# Altium PCB eRTM15_Baikal.PcbDoc (part 4 of 7) (continued)
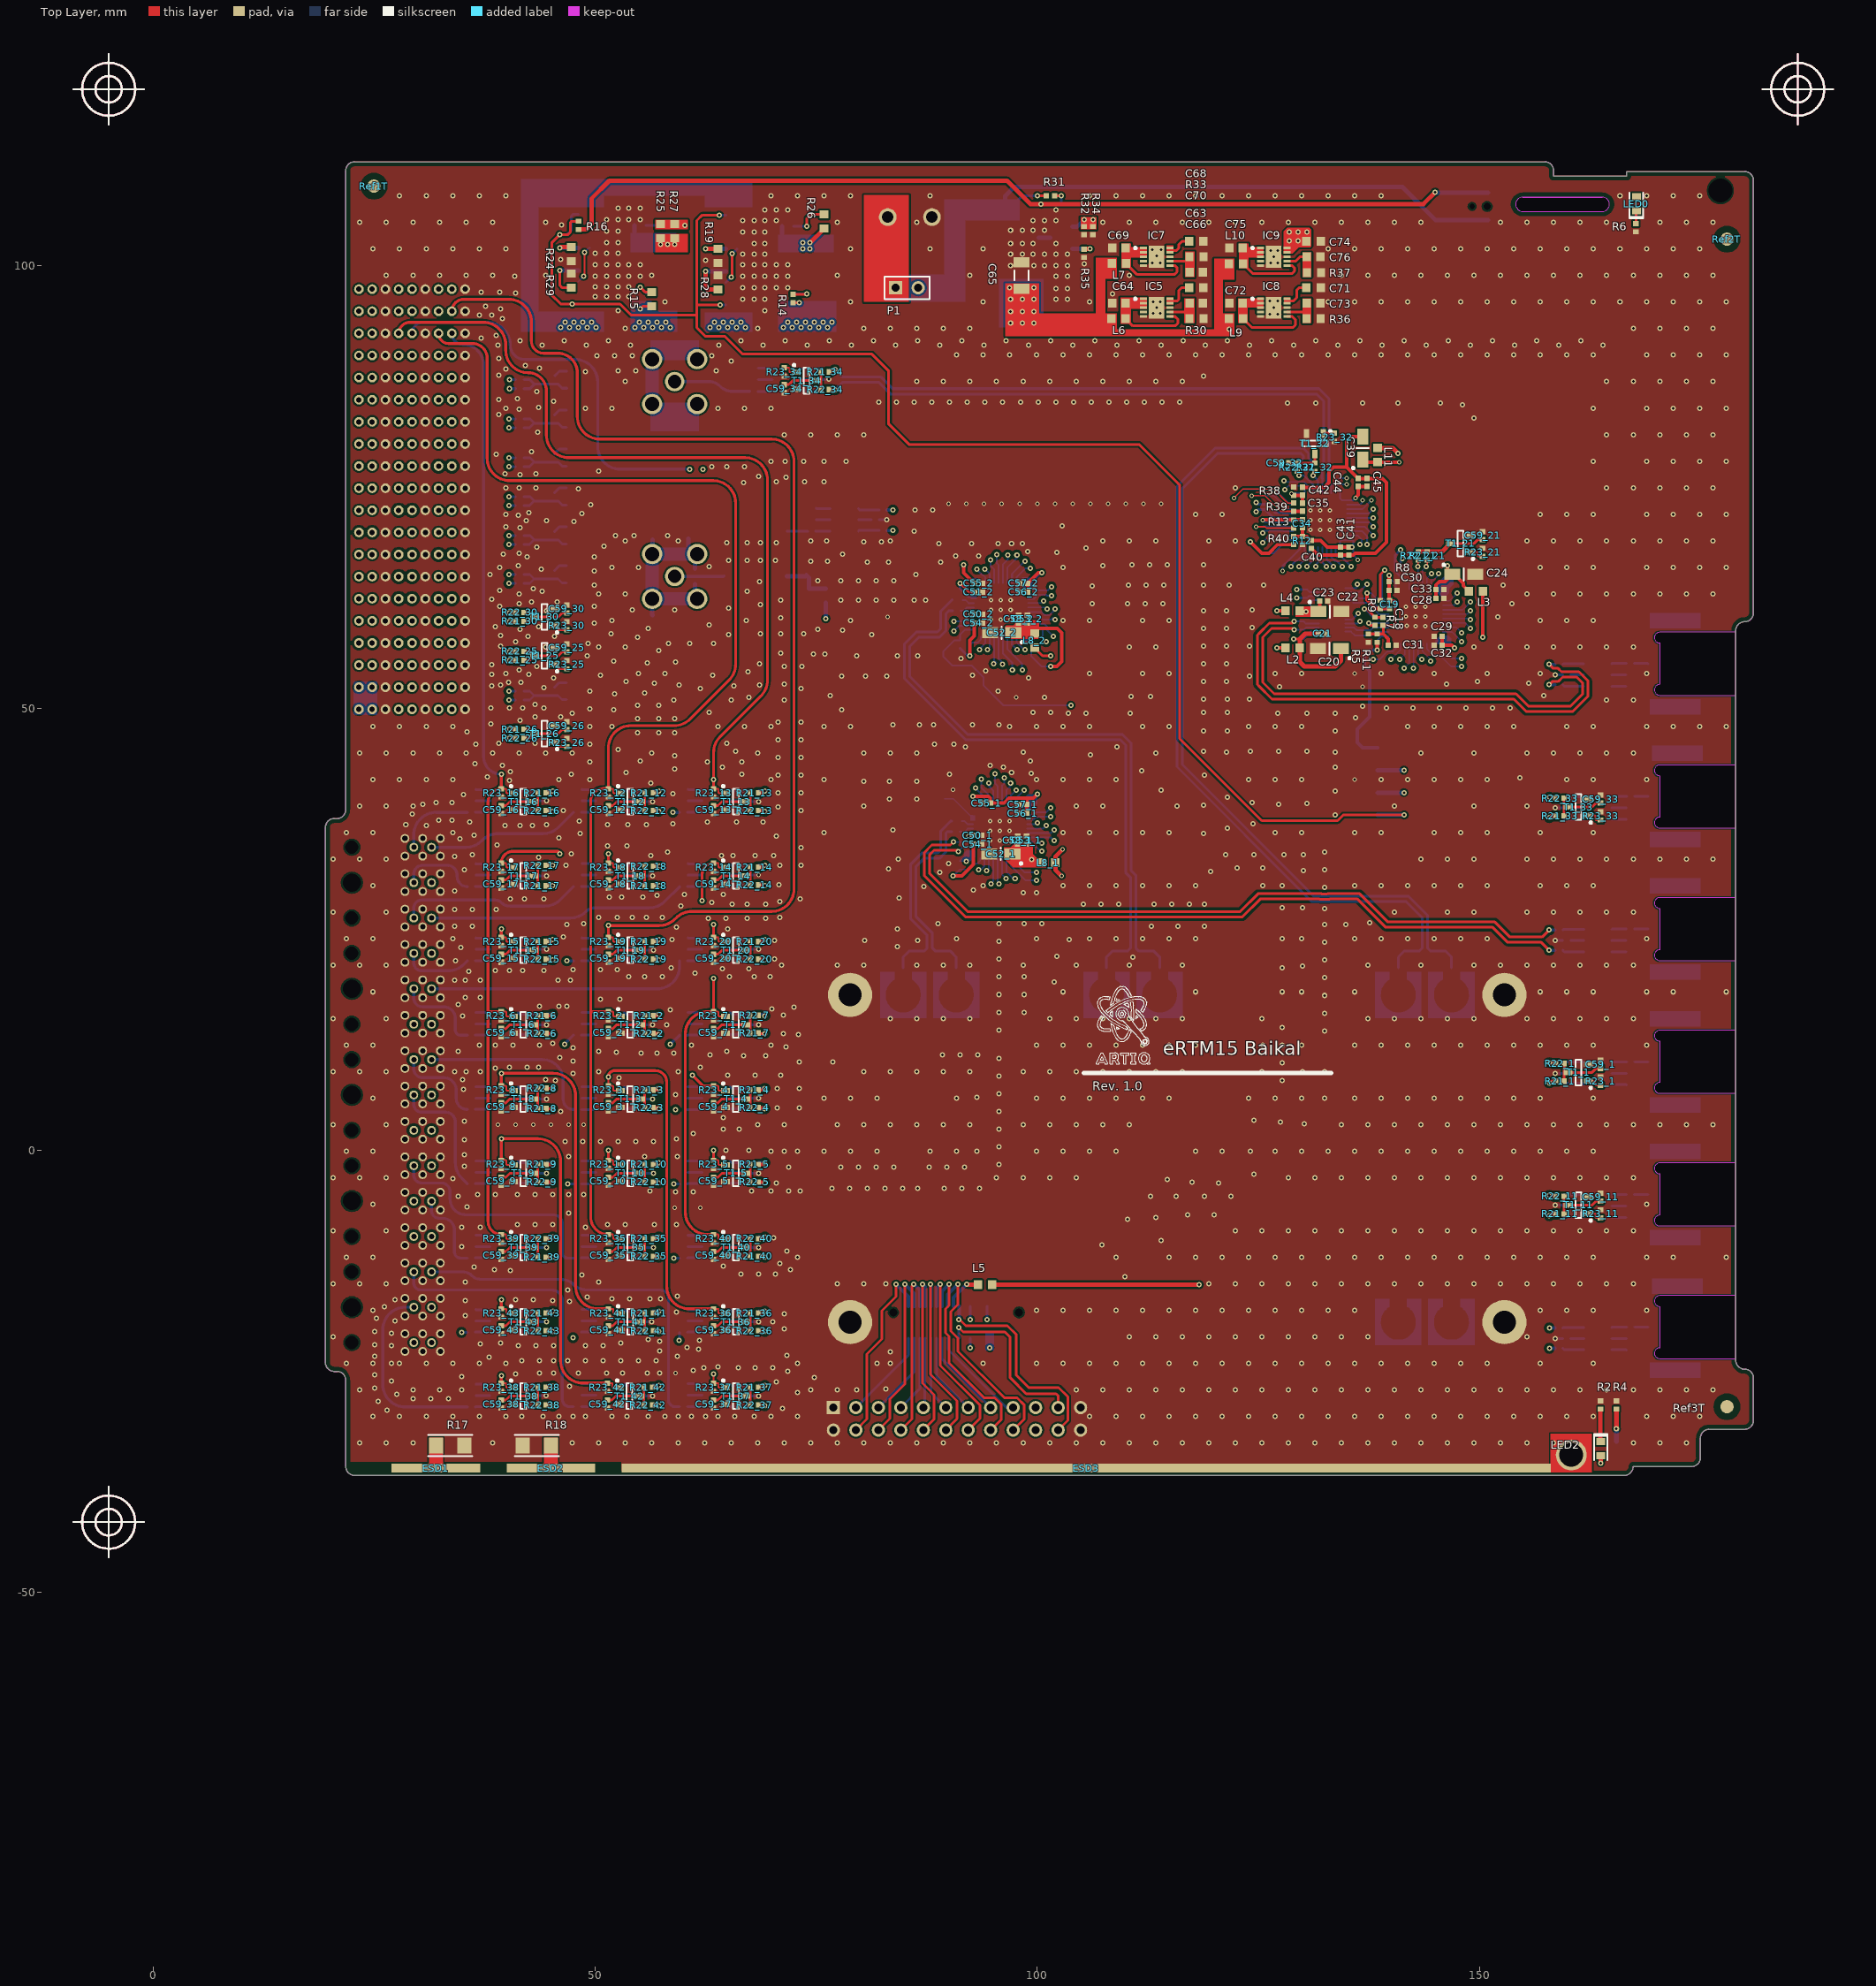
[diagram p0: Top Layer view]
## Nets (pads, with @x,y where several pads share a name; then routed paths per layer and width w, separated by ;. In a path a pad name is that pad's centre, name@x,y a point inside that pad or via, vN(x,y) a via of type N, cw(c..) or ccw(c..) an arc to the next point about the centre after c; other vN are vias at no path point) (continued)
  other v1: 23.4,-33.1 26.4,-33.1 29.4,-33.1 38.4,-33.1 47.4,-33.1 50.4,-33.1 53.4,-33.1 56.4,-33.1 59.4,-33.1 62.4,-33.1 65.4,-33.1 68.4,-33.1 71.4,-33.1 74.4,-33.1 77.4,-33.1 80.4,-33.1 83.4,-33.1 86.4,-33.1 89.4,-33.1 92.4,-33.1 95.4,-33.1 98.4,-33.1 101.4,-33.1 104.4,-33.1 107.4,-33.1 110.4,-33.1 113.4,-33.1 116.4,-33.1 119.4,-33.1 122.4,-33.1 125.4,-33.1 128.4,-33.1 131.4,-33.1 134.4,-33.1 137.4,-33.1 140.4,-33.1 143.4,-33.1 146.4,-33.1 149.4,-33.1 152.4,-33.1 155.4,-33.1 158.4,-33.1 167.4,-33.1 170.4,-33.1 173.4,-33.1 24.9,-30.1 27.9,-30.1 30.9,-30.1 33.9,-30.1 36.9,-30.1 39.9,-30.1 41.7,-30.1 44.1,-30.1 45.9,-30.1 47.5,-30.1 48.9,-30.1 51.9,-30.1 53.6,-30.1 56,-30.1 57.9,-30.1 59.4,-30.1 60.9,-30.1 62.5,-30.1 63.9,-30.1 65.8,-30.1 68,-30.1 69.9,-30.1 72.9,-30.1 105.9,-30.1 108.9,-30.1 111.9,-30.1 114.9,-30.1 117.9,-30.1 120.9,-30.1 123.9,-30.1 126.9,-30.1 129.9,-30.1 132.9,-30.1 135.9,-30.1 138.9,-30.1 141.9,-30.1 144.9,-30.1 147.9,-30.1 150.9,-30.1 153.9,-30.1 156.9,-30.1 159.9,-30.1 162.9,-30.1 168.9,-30.1 171.9,-30.1 174.9,-30.1 26.5,-29.4 71.2,-29.2 25.5,-28.4 29.4,-28.1 31.4,-28.1 33.4,-28.1 27.6,-27.6 72.9,-27.4 23.4,-27.1 29.4,-27.1 32.4,-27.1 34.9,-27.1 74.4,-27.1 77.4,-27.1 79.6,-27.1 104.4,-27.1 107.4,-27.1 110.4,-27.1 113.4,-27.1 116.4,-27.1 119.4,-27.1 122.4,-27.1 125.4,-27.1 128.4,-27.1 131.4,-27.1 134.4,-27.1 137.4,-27.1 140.4,-27.1 143.4,-27.1 146.4,-27.1 149.4,-27.1 152.4,-27.1 155.4,-27.1 158.4,-27.1 161.4,-27.1 164.4,-27.1 167.4,-27.1 170.4,-27.1 173.4,-27.1 176.4,-27.1 82.9,-27 25.1,-26.9 47.1,-26.7 70.5,-26.2 27,-26.1 74.8,-25.7 34.9,-25.6 25.1,-25.4 41,-25.3 43.7,-25.2 45.3,-25.2 48.1,-25.2 51.3,-25.2 53.1,-25.2 55.9,-25.2 57.3,-25.2 71.8,-25 61.1,-24.9 62.3,-24.6 66.2,-24.6 68.1,-24.6 70.1,-24.6 63.9,-24.5 21.9,-24.1 24.9,-24.1 27,-24.1 27.9,-24.1 30.9,-24.1 33.9,-24.1 36.9,-24.1 39.9,-24.1 72.9,-24.1 81.9,-24.1 83.4,-24.1 93.9,-24.1 99.9,-24.1 102.9,-24.1 105.9,-24.1 108.9,-24.1 111.9,-24.1 114.9,-24.1 117.9,-24.1 120.9,-24.1 123.9,-24.1 126.9,-24.1 129.9,-24.1 132.9,-24.1 135.9,-24.1 138.9,-24.1 141.9,-24.1 144.9,-24.1 147.9,-24.1 150.9,-24.1 156.9,-24.1 162.9,-24.1 41.7,-23.8 43.7,-23.8 45.3,-23.8 46.9,-23.8 48.9,-23.8 50.9,-23.8 52.9,-23.8 54.9,-23.8 56.9,-23.8 38,-23.4 25.1,-23.3 59.3,-23.3 71.7,-23.2 83.4,-22.8 57.3,-22.7 61.7,-22.5 60.4,-22.3 27,-22.1 41.3,-22.1 43.3,-22.1 45.3,-22.1 48.9,-22.1 50.9,-22.1 25.1,-22 37,-21.9 39.3,-21.8 52.9,-21.8 57.3,-21.6 61.8,-21.5 56,-21.4 20.4,-21.1 110.4,-21.1 113.4,-21.1 116.4,-21.1 119.4,-21.1 122.4,-21.1 125.4,-21.1 128.4,-21.1 131.4,-21.1 134.4,-21.1 137.4,-21.1 155.4,-21.1 27,-20.7 25.1,-20.5 71.4,-20.2 70.1,-19.4 27.4,-19.3 25.3,-19 35.3,-18.7 71.4,-18.5 59.2,-18.3 24.9,-18.1 99.9,-18.1 102.9,-18.1 105.9,-18.1 108.9,-18.1 111.9,-18.1 114.9,-18.1 117.9,-18.1 120.9,-18.1 123.9,-18.1 126.9,-18.1 129.9,-18.1 132.9,-18.1 135.9,-18.1 156.9,-18.1 159.9,-18.1 162.9,-18.1 168.9,-18.1 26.2,-17.7 47.1,-17.1 35.3,-17 45.2,-17 27.4,-16.9 41,-16.9 43,-16.9 51.9,-16.8 53.9,-16.8 56.2,-16.8 57.4,-16.8 49.1,-16.6 59.3,-16.5 46.9,-15.8 20.4,-15.1 23.4,-15.1 26.4,-15.1 77.4,-15.1 80.4,-15.1 82.9,-15.1 119.4,-15.1 122.4,-15.1 125.4,-15.1 128.4,-15.1 131.4,-15.1 134.4,-15.1 137.4,-15.1 140.4,-15.1 143.4,-15.1 146.4,-15.1 149.4,-15.1 152.4,-15.1 155.4,-15.1 158.4,-15.1 161.4,-15.1 164.4,-15.1 167.4,-15.1 35.3,-14.9 50.4,-14.9 109.9,-14.3 48.5,-14.1 66.5,-14 68.5,-14 70.4,-14 40.4,-13.6 38.6,-13.5 72.1,-13.5 36.3,-13.2 64.5,-13.1 70.9,-12.8 21.9,-12.1 24.9,-12.1 72.9,-12.1 108.9,-12.1 114.9,-12.1 117.9,-12.1 120.9,-12.1 123.9,-12.1 126.9,-12.1 129.9,-12.1 132.9,-12.1 135.9,-12.1 138.9,-12.1 141.9,-12.1 144.9,-12.1 147.9,-12.1 150.9,-12.1 153.9,-12.1 156.9,-12.1 159.9,-12.1 162.9,-12.1 168.9,-12.1 171.9,-12.1 177.9,-12.1 71.7,-11.4 34.9,-10.9 107.3,-10.7 114,-10.2 70.2,-9.9 20.4,-9.1 26.4,-9.1 122.4,-9.1 125.4,-9.1 128.4,-9.1 131.4,-9.1 134.4,-9.1 137.4,-9.1 140.4,-9.1 143.4,-9.1 146.4,-9.1 149.4,-9.1 152.4,-9.1 155.4,-9.1 158.4,-9.1 161.4,-9.1 164.4,-9.1 167.4,-9.1 34.9,-8.7 37,-8.7 48.9,-8.7 41.2,-8.4 43.2,-8.4 45.2,-8.4 51.4,-8.4 53.4,-8.4 56.7,-8.4 59.2,-8.4 110.2,-7.8 113.4,-7.6 117,-7.3 120,-7.3 47,-7.1 35.5,-6.4 24.9,-6.1 168.9,-6.1 34.5,-5.2 112.8,-5.2 115.7,-5.2 118.9,-5.2 121.9,-5.2 36.7,-5 38.7,-5 41.2,-5 43.2,-5 45.2,-5 47,-5 48.7,-5 59.1,-4.7 61.1,-4.7 56.2,-4.6 67.7,-4.6 69.9,-4.6 71.9,-4.6 73.2,-4.6 76.8,-4.3 78.8,-4.3 80.8,-4.3 82.8,-4.3 84.8,-4.3 86.5,-4.3 89.5,-4.3 91.5,-4.3 93.5,-4.3 70.5,-3.7 120.5,-3.7 117.5,-3.6 114.7,-3.3 33.9,-3.2 20.4,-3.1 23.4,-3.1 26.4,-3.1 95.4,-3.1 98.4,-3.1 101.4,-3.1 104.4,-3.1 128.4,-3.1 131.4,-3.1 134.4,-3.1 137.4,-3.1 140.4,-3.1 143.4,-3.1 146.4,-3.1 149.4,-3.1 152.4,-3.1 155.4,-3.1 158.4,-3.1 161.4,-3.1 164.4,-3.1 167.4,-3.1 124.5,-2.7 71.9,-1.9 77.8,-1.9 79.8,-1.9 81.8,-1.9 83.8,-1.9 87.8,-1.9 89.8,-1.9 91.8,-1.9 35.2,-1.8 95.7,-1.6 47,-0.7 55.6,-0.7 59.3,-0.7 35.2,-0.5 21.9,-0.1 24.9,-0.1 69.9,-0.1 71.4,-0.1 72.9,-0.1 75.9,-0.1 78.9,-0.1 81.9,-0.1 87.9,-0.1 90.9,-0.1 93.2,-0.1 99.9,-0.1 102.9,-0.1 105.9,-0.1 108.9,-0.1 117.9,-0.1 120.9,-0.1 124.1,-0.1 126.9,-0.1 129.9,-0.1 132.9,-0.1 135.9,-0.1 138.9,-0.1 141.9,-0.1 144.9,-0.1 147.9,-0.1 150.9,-0.1 153.9,-0.1 156.9,-0.1 159.9,-0.1 162.9,-0.1 64.8,0 67.4,0 95.7,0.4 46.6,1 48.6,1 50.6,1 52.6,1 54.6,1 56.6,1 35.2,1.2 59.2,1.3 61.1,1.9 64.5,2.4 66.3,2.4 95.7,2.4 20.4,2.9 26.4,2.9 68.4,2.9 71.4,2.9 77.4,2.9 80.4,2.9 83.4,2.9 86.4,2.9 89.4,2.9 92.4,2.9 98.4,2.9 101.4,2.9 104.4,2.9 107.4,2.9 110.4,2.9 134.4,2.9 137.4,2.9 140.4,2.9 143.4,2.9 146.4,2.9 149.4,2.9 152.4,2.9 155.4,2.9 158.4,2.9 161.4,2.9 164.4,2.9 167.4,2.9 170.4,2.9 173.4,2.9 176.4,2.9 130.2,3 127.5,3.2 35.2,3.3 124.5,3.4 64.5,3.7 46.1,4.4 95.7,4.4 70.6,4.8 73.1,4.8 24.9,5.9 75.9,5.9 78.9,5.9 81.9,5.9 90.9,5.9 99.9,5.9 102.9,5.9 105.9,5.9 108.9,5.9 111.9,5.9 114.9,5.9 123.9,5.9 126.9,5.9 129.9,5.9 132.5,5.9 135.9,5.9 138.9,5.9 141.9,5.9 144.9,5.9 147.9,5.9 150.9,5.9 153.9,5.9 156.9,5.9 162.9,5.9 93.2,6 59.1,6.3 95.7,6.4 35.1,6.9 70.6,7 73.1,7 45.5,7.9 127.7,7.9 35,8 44.4,8 52.7,8.2 95.7,8.4 65,8.5 68.1,8.5 71,8.5 47.5,8.7 20.4,8.9 23.4,8.9 26.4,8.9 34.1,8.9 35.4,8.9 37,8.9 50.4,8.9 59.4,8.9 80.4,8.9 83.4,8.9 86.4,8.9 89.4,8.9 92.4,8.9 98.4,8.9 101.4,8.9 104.4,8.9 107.4,8.9 110.4,8.9 113.4,8.9 116.4,8.9 125.4,8.9 130,8.9 132.5,8.9 38.7,9.3 40.3,9.4 42.3,9.4 43.6,9.4 61.9,9.4 127.7,9.9 73.1,10 76.9,10 47.5,10.1 95.7,10.4 46,10.5 66.8,10.7 69.3,10.7 63,10.8 89.3,10.8 91.3,10.8 93.3,10.8 55.2,11 57,11 58.9,11 52.4,11.1 34.5,11.2 50.4,11.2 64.9,11.2 47.5,11.6 71.6,11.7 21.9,11.9 24.9,11.9 36.9,11.9 38.7,11.9 40.7,11.9 43.7,11.9 60.9,11.9 69.9,11.9 99.9,11.9 102.9,11.9 105.9,11.9 108.9,11.9 111.9,11.9 114.9,11.9 117.9,11.9 125.5,11.9 127.7,11.9 129.9,11.9 135.9,11.9 138.9,11.9 141.9,11.9 144.9,11.9 147.9,11.9 150.9,11.9 153.9,11.9 156.9,11.9 159.9,11.9 162.9,11.9 168.9,11.9 45.2,12.1 73,13.1 71.3,13.2 132.5,13.5 95.7,13.6 127.7,13.9 58.1,14.2 20.4,14.9 26.4,14.9 83.4,14.9 86.4,14.9 89.4,14.9 92.4,14.9 101.4,14.9 104.4,14.9 107.4,14.9 110.4,14.9 113.4,14.9 116.4,14.9 125.4,14.9 137.4,14.9 140.4,14.9 143.4,14.9 146.4,14.9 149.4,14.9 155.4,14.9 158.4,14.9 161.4,14.9 164.4,14.9 167.4,14.9 35,15.2 71.3,15.3 132.5,15.5 95.7,15.6 98.5,15.6 58.5,15.9 70,16 72.5,16.2 43.7,16.3 45.9,16.3 46.8,16.3 34.5,16.5 50.6,17.1 52.8,17.1 35.3,17.3 37,17.3 132.5,17.5 95.7,17.6 98.5,17.6 24.9,17.9 102.9,17.9 117.9,17.9 127.7,17.9 129.9,17.9 135.9,17.9 156.9,17.9 159.9,17.9 162.9,17.9 168.9,17.9 171.9,17.9 177.9,17.9 101.9,19 34.1,19.2 35.3,19.2 37,19.2 45.8,19.2 47.2,19.2 132.5,19.5 53.8,19.6 55.6,19.6 57.6,19.6 65.2,19.6 68,19.6 69.8,19.6 95.7,19.6 98.5,19.6 61.3,20 35.7,20.2 38.7,20.3 40.3,20.3 41.8,20.3 44.2,20.3 47.5,20.4 50.6,20.4 52.5,20.4 64.4,20.5 67.4,20.5 58.6,20.6 127.7,20.6 130,20.8 20.4,20.9 23.4,20.9 26.4,20.9 71.1,20.9 77.4,20.9 80.4,20.9 86.4,20.9 89.4,20.9 92.4,20.9 98.4,20.9 104.4,20.9 110.4,20.9 116.4,20.9 137.4,20.9 143.4,20.9 149.4,20.9 152.4,20.9 155.4,20.9 158.4,20.9 161.4,20.9 164.4,20.9 167.4,20.9 34.2,21.4 132.5,21.5 70.3,21.6 95.7,21.6 110.8,21.8 102.2,21.9 34.8,22.9 84.2,23 132.5,23.5 95.7,23.6 70.3,23.7 80.5,23.7 86.5,23.7 58.7,23.8 103.6,23.8 21.9,23.9 24.9,23.9 33.9,23.9 90.9,23.9 99.9,23.9 105.9,23.9 108.9,23.9 111.9,23.9 114.9,23.9 117.9,23.9 127.7,23.9 129.9,23.9 135.9,23.9 138.9,23.9 141.9,23.9 144.9,23.9 147.9,23.9 150.9,23.9 168.9,23.9 46.4,24.1 65,25 84.2,25 59.2,25.2 34.1,25.3 36.1,25.3 112.9,25.3 115.9,25.3 118.9,25.3 46.8,25.5 132.5,25.5 134.9,25.5 48.7,25.6 88.8,25.6 95.7,25.6 98.5,25.6 100.5,25.6 137.6,25.7 62.8,26.2 64.8,26.2 67.2,26.2 69.3,26.2 50.4,26.3 52.5,26.3 54.2,26.3 55.8,26.3 57.6,26.3 70.9,26.3 20.4,26.9 26.4,26.9 140.4,26.9 146.4,26.9 149.4,26.9 155.4,26.9 158.4,26.9 161.4,26.9 164.4,26.9 167.4,26.9 34.1,27.2 36.1,27.2 38.8,27.2 132.5,27.3 127.7,27.4 130,27.4 59.7,27.6 65.5,27.8 67.2,27.8 69.3,27.8 105.2,27.8 107.2,27.8 109.2,27.8 113.2,27.8 115.2,27.8 117.2,27.8 118.9,27.8 63.2,28 70.9,28.1 40.4,28.4 42,28.4 44.2,28.4 73.2,28.4 84.4,28.5 51.6,28.6 53,28.6 55.4,28.6 57,28.8 60.1,28.9 64.5,28.9 98.4,29.1 99.9,29.1 34.1,29.3 92.8,29.4 132.5,29.7 87.2,29.8 24.9,29.9 93.9,29.9 102.9,29.9 105.9,29.9 108.9,29.9 111.9,29.9 114.9,29.9 117.9,29.9 125.5,29.9 127.7,29.9 135.9,29.9 138.9,29.9 141.9,29.9 144.9,29.9 147.9,29.9 150.9,29.9 156.9,29.9 159.9,29.9 162.9,29.9 70.8,30 89,31.4 119.6,31.5 130.1,31.6 35.2,31.7 132.5,31.7 83.2,31.8 122.6,31.9 125.5,31.9 46.7,32.2 70.9,32.2 73.3,32.2 90,32.4 20.4,32.9 23.4,32.9 26.4,32.9 84.3,32.9 143.4,32.9 146.4,32.9 149.4,32.9 155.4,32.9 158.4,32.9 161.4,32.9 164.4,32.9 167.4,32.9 170.4,32.9 173.4,32.9 176.4,32.9 43.6,33.1 34.1,33.2 56.3,33.3 64.3,33.3 65.6,33.3 68.1,33.3 70.2,33.3 36.1,33.4 121.3,33.4 124.5,33.4 127.9,33.4 130.1,33.4 47.3,33.5 58.2,33.7 132.5,33.7 73.3,34.2 51.4,34.4 53.6,34.4 38.9,34.5 34.7,35.2 45.9,35.3 70.5,35.5 36.3,35.6 48.3,35.8 118.8,35.8 21.9,35.9 24.9,35.9 33.9,35.9 75.9,35.9 102.9,35.9 105.9,35.9 108.9,35.9 111.9,35.9 114.9,35.9 126.9,35.9 129.9,35.9 135.9,35.9 138.9,35.9 144.9,35.9 147.9,35.9 150.9,35.9 156.9,35.9 162.9,35.9 83.7,36.2 121.5,36.4 30.9,36.7 39.8,36.7 41.5,36.7 42.9,36.7 28.6,36.8 44.5,36.8 51.4,36.8 53.7,36.8 55.8,36.8 58.8,36.9 124.4,36.9 35.8,37.1 62.7,37.1 66,37.1 69,37.1 48.2,37.2 32.3,37.3 33.8,37.3 133.7,37.9 29.3,38 46.4,38.4 73.3,38.4 70.7,38.8 23.4,38.9 26.4,38.9 29.4,38.9 80.4,38.9 104.4,38.9 107.4,38.9 115.8,38.9 140.4,38.9 149.4,38.9 155.4,38.9 118.8,39 30.5,39.1 127.3,39.1 130.5,39.2 32,39.3 33.8,39.3 124.3,39.3 83.3,39.7 86.4,39.7 121.5,39.9 35.1,40.2 58.8,40.3 70.7,40.4 73.3,40.4 133.7,40.6 114,40.7 56.3,41.5 80.4,41.7 83.3,41.7 86.4,41.7 40.3,41.8 24.9,41.9 27.9,41.9 30.9,41.9 33.9,41.9 45.9,41.9 49.4,41.9 69.9,41.9 75.9,41.9 99.9,41.9 102.9,41.9 105.9,41.9 108.9,41.9 123.9,41.9 126.9,41.9 129.9,41.9 138.9,41.9 141.9,41.9 144.9,41.9 147.9,41.9 150.9,41.9 159.9,41.9 162.9,41.9 168.9,41.9 154.6,42.1 37.8,42.2 70.7,42.4 73.3,42.4 118.9,42.4 47.3,42.5 66.6,42.5 90.1,42.5 99.3,42.6 53.5,42.7 97.1,42.7 40.4,42.8 111.8,42.9 59,43.1 64.4,43.3 96.2,43.3 133.7,43.3 39.5,43.5 94.7,43.5 36.4,43.7 49.4,43.9 62.7,43.9 66.6,43.9 55.1,44 99.2,44 70.7,44.4 73.3,44.4 59,44.6 106,44.7 23.4,44.9 26.4,44.9 29.4,44.9 32.4,44.9 35.4,44.9 38.4,44.9 41.4,44.9 44.4,44.9 47.4,44.9 56.4,44.9 68.4,44.9 80.4,44.9 83.4,44.9 86.4,44.9 113.4,44.9 143.4,44.9 149.4,44.9 155.4,44.9 158.4,44.9 161.4,44.9 164.4,44.9 167.4,44.9 98.4,45 121.4,45 133.7,45 65.9,45.1 118.8,45.1 124.1,45.1 127.3,45.1 130.5,45.1 52.6,45.3 91.9,45.6 109,45.6 36.5,45.9 49.4,45.9 88.4,45.9 90.6,45.9 39.1,46 43.2,46 64.9,46 70.7,46.4 73.3,46.4 54.8,47.2 57.2,47.2 59,47.2 35.5,47.3 118.8,47.4 121.5,47.4 133.7,47.4 24.9,47.9 27.9,47.9 30.9,47.9 33.9,47.9 49.4,47.9 51.9,47.9 63.9,47.9 66.9,47.9 69.9,47.9 75.9,47.9 78.9,47.9 96.9,47.9 99.9,47.9 102.9,47.9 105.9,47.9 111.9,47.9 114.9,47.9 123.9,47.9 126.9,47.9 129.9,47.9 141.9,47.9 144.9,47.9 147.9,47.9 150.9,47.9 153.9,47.9 159.9,47.9 162.9,47.9 168.9,47.9 171.9,47.9 174.9,47.9 177.9,47.9 83.7,48.1 86.7,48.1 88.3,48.1 92.7,48.1 95.7,48.1 38.2,48.2 70.7,48.4 73.3,48.4 41.5,48.6 54.8,48.8 57.2,48.8 59,48.8 136,48.9 43.2,49 46.1,49 47.4,49.4 103.5,49.4 105.5,49.4 110.5,49.4 127.2,49.4 130.5,49.4 133.7,49.4 62.9,49.5 99.5,49.5 101.5,49.5 118.8,49.5 121.5,49.5 52.1,49.8 77.9,49.8 49.4,49.9 38.2,50 40.3,50 41.8,50 44.2,50 139.5,50 142.5,50 145.5,50 148.5,50 151.5,50 153.5,50 136.8,50.2 54.8,50.3 57.2,50.3 43.2,50.4 58.9,50.9 65.4,50.9 71.4,50.9 164.4,50.9 167.4,50.9 118.8,51 121.5,51 124,51 67.4,51.2 100.8,51.2 110.6,51.3 112.8,51.3 76.6,51.4 157.3,51.4 52.2,51.6 55.6,51.7 49.4,51.9 95.6,51.9 61.9,52.2 73.3,52.2 44.2,52.3 127.4,52.4 38.3,52.5 65.7,52.5 39.3,52.6 59.5,52.6 68.6,52.6 71.4,52.7 146.3,52.7 56.7,52.8 155.6,52.8 40.2,52.9 41.6,52.9 53.5,53 118.8,53 121.4,53 149.8,53 45.3,53.4 99,53.4 77.9,53.6 80.6,53.6 83,53.6 124,53.6 50.6,53.7 63.3,53.7 92.7,53.7 38.3,53.8 42.5,53.8 39.9,53.9 54.9,53.9 57.9,53.9 105.9,53.9 111.9,53.9 114.9,53.9 126.9,53.9 129.9,53.9 138.9,53.9 144.9,53.9 150.9,53.9 156.9,53.9 168.9,53.9 67.3,54.1 94.2,54.2 41.4,54.3 43.4,54.7 71.4,54.7 73.4,54.7 38.3,54.9 68.6,55 118.8,55 121.4,55 55.9,55.1 59.1,55.2 52.1,55.3 91.4,55.6 49.1,55.9 79.6,55.9 84.2,55.9 86.5,55.9 74.7,56.1 76,56.1 71,56.2 57.2,56.5 44.4,56.9 50.4,56.9 53.4,56.9 110.4,56.9 113.4,56.9 149.4,56.9 152.4,56.9 155.4,56.9 158.4,56.9 161.4,56.9 164.4,56.9 167.4,56.9 39.3,57 118.8,57 121.4,57 124,57 49.2,57.3 58.3,57.3 60.7,57.3 63.4,57.3 41,57.5 54.8,58 42.4,58.1 45.4,58.1 39.3,58.2 65.1,58.3 81.3,58.3 51.8,58.4 68.7,58.4 71,58.4 73.6,58.4 78,58.8 41.5,58.9 75.2,58.9 56,59 118.8,59 121.4,59 124.3,59.1 38.7,59.2 43.6,59.2 62.9,59.4 49.9,59.6 51.9,59.9 67.1,59.9 78.9,59.9 102.9,59.9 105.9,59.9 111.9,59.9 114.9,59.9 156.9,59.9 159.9,59.9 162.9,59.9 71,60.2 152.1,60.3 44.5,61 118.8,61 121.4,61 54.2,61.1 59,61.1 124.3,61.1 65.1,61.3 39.2,61.5 49.9,61.5 68.7,61.7 41.4,61.8 106.2,61.8 110.2,61.8 112.2,61.8 114.2,61.8 153.7,61.8 42.8,62 45.7,62 71,62.2 77.8,62.2 79.8,62.2 81.8,62.2 83.8,62.2 86.1,62.2 87.4,62.2 38.3,62.3 41.4,62.9 50.4,62.9 53.4,62.9 155.4,62.9 158.4,62.9 161.4,62.9 164.4,62.9 167.4,62.9 170.4,62.9 173.4,62.9 176.4,62.9 44,63.2 67.2,63.2 39.2,63.3 43,63.5 106.2,63.8 49.9,63.9 110.3,63.9 112.3,63.9 114.3,63.9 118.8,63.9 121.7,63.9 125.6,63.9 152.7,63.9 68.6,64.3 75.2,64.4 77.8,64.4 79.8,64.4 81.8,64.4 83.8,64.4 38.1,65.1 86.3,65.1 49.9,65.5 43.9,65.7 39.2,65.9 51.9,65.9 54.9,65.9 102.9,65.9 156.9,65.9 159.9,65.9 162.9,65.9 168.9,65.9 171.9,65.9 174.9,65.9 177.9,65.9 62.9,66 41.3,66.1 107.4,66.1 110.7,66.2 112.7,66.2 114.7,66.2 118.8,66.2 80.8,66.5 83.2,66.5 89.1,66.5 74.4,66.6 76.3,66.6 65.1,66.7 67.2,66.7 68.7,66.7 70.4,66.7 42.3,67.1 49.9,67.1 90.8,67.2 93.4,67.2 39.6,67.4 78,67.4 41.4,67.5 102.2,67.6 98.9,67.7 105.5,68.1 43.4,68.2 51,68.3 88.9,68.6 92.6,68.6 95.6,68.6 97.1,68.6 98.3,68.6 64.9,68.7 67.2,68.7 68.7,68.7 70.5,68.7 80.4,68.8 82.4,68.8 53.4,68.9 59.4,68.9 74.4,68.9 76.2,68.9 83.4,68.9 107.4,68.9 110.4,68.9 113.4,68.9 119.4,68.9 122.4,68.9 155.4,68.9 158.4,68.9 161.4,68.9 164.4,68.9 167.4,68.9 170.4,68.9 173.4,68.9 176.4,68.9 52.3,69.5 54.4,69.5 58.2,69.5 86.1,70 41.5,70.4 39.9,70.5 102.8,70.6 47.6,71.1 42.2,71.2 44.5,71.2 41.3,71.8 39.9,71.9 117.9,71.9 120.9,71.9 156.9,71.9 159.9,71.9 162.9,71.9 168.9,71.9 171.9,71.9 174.9,71.9 177.9,71.9 48.5,72 42.5,72.1 86.2,72.4 88.2,72.4 49.5,73 48.1,74.8 39.9,74.9 41.4,74.9 43.3,74.9 122.4,74.9 164.4,74.9 167.4,74.9 170.4,74.9 173.4,74.9 176.4,74.9 66.8,75.5 70.5,75.6 73.7,75.6 75.9,75.6 71.6,76.1 68.5,76.2 41.5,76.4 39.8,76.5 43.3,76.5 50.4,76.8 63.2,77.3 64.9,77.3 66.9,77.3 69.9,77.9 71.5,77.9 73.6,77.9 75.9,77.9 78.4,77.9 162.9,77.9 168.9,77.9 171.9,77.9 174.9,77.9 177.9,77.9 38.8,78.7 42.8,79 71.4,80.9 74.4,80.9 77.4,80.9 80.4,80.9 164.4,80.9 167.4,80.9 170.4,80.9 173.4,80.9 176.4,80.9 43.5,81.2 149.4,82.8 39.1,83.2 41.4,83.8 39.9,83.9 48.9,83.9 51.9,83.9 63.9,83.9 66.9,83.9 69.9,83.9 162.9,83.9 168.9,83.9 171.9,83.9 174.9,83.9 177.9,83.9 43.6,84 148.1,84.3 128.3,84.5 131.5,84.5 136.8,84.5 140.8,84.5 145.6,84.5 82.1,84.6 84.1,84.6 86.1,84.6 88.1,84.6 90.1,84.6 92.1,84.6 94.1,84.6 96.1,84.6 98.1,84.6 100.1,84.6 102.1,84.6 104.1,84.6 106.1,84.6 108.1,84.6 110.1,84.6 112.1,84.6 114.1,84.6 116.1,84.6 45.3,84.7 39.1,84.9 41.2,85 43.4,85.8 53.4,86.9 86.4,86.9 89.4,86.9 92.4,86.9 95.4,86.9 98.4,86.9 101.4,86.9 104.4,86.9 107.4,86.9 110.4,86.9 113.4,86.9 116.4,86.9 164.4,86.9 167.4,86.9 170.4,86.9 173.4,86.9 176.4,86.9 76.425,87.15 118.8,87.5 39.1,87.6 48.9,88 52.6,88.1 54.6,88.1 63.7,88.1 39.9,88.3 43.7,88.4 42.1,88.7 65.4,89.2 39.1,89.5 50.2,89.8 52.2,89.8 54.2,89.8 63.2,89.8 90.9,89.9 93.9,89.9 96.9,89.9 99.9,89.9 102.9,89.9 105.9,89.9 108.9,89.9 111.9,89.9 114.9,89.9 117.9,89.9 120.9,89.9 123.9,89.9 126.9,89.9 129.9,89.9 132.9,89.9 135.9,89.9 138.9,89.9 141.9,89.9 144.9,89.9 147.9,89.9 150.9,89.9 153.9,89.9 156.9,89.9 159.9,89.9 162.9,89.9 168.9,89.9 171.9,89.9 174.9,89.9 177.9,89.9 39,91 44,91 49,91 54,91 64,91 69,91 74,91 79,91 84,91 89,91 94,91 99,91 104,91 109,91 114,91 119,91 124,91 129,91 134,91 139,91 144,91 149,91 154,91 159,91 164,91 41.5,91.5 46.5,91.5 51.5,91.5 66.5,91.5 71.5,91.5 76.5,91.5 81.5,91.5 86.5,91.5 91.5,91.5 96.5,91.5 101.5,91.5 106.5,91.5 111.5,91.5 116.5,91.5 121.5,91.5 126.5,91.5 131.5,91.5 136.5,91.5 141.5,91.5 146.5,91.5 151.5,91.5 156.5,91.5 161.5,91.5 37.1,91.8 38.8,92.1 53.4,92.9 68.4,92.9 80.4,92.9 83.4,92.9 86.4,92.9 89.4,92.9 92.4,92.9 167.4,92.9 170.4,92.9 173.4,92.9 176.4,92.9 39.5,94 36.9,94.4 38.3,94.4 126.3,94.5 127.2,94.5 113.1,94.6 113.9,94.6 52.6,94.9 69.2,94.9 39.3,95.1 113.5,95.25 126.75,95.25 37.6,95.4 57.9,95.9 78.9,95.9 93.9,95.9 105.9,95.9 113.1,95.9 113.9,95.9 132.9,95.9 135.9,95.9 138.9,95.9 141.9,95.9 144.9,95.9 147.9,95.9 150.9,95.9 153.9,95.9 156.9,95.9 159.9,95.9 162.9,95.9 165.9,95.9 168.9,95.9 171.9,95.9 174.9,95.9 177.9,95.9 126.3,96 127.2,96 66.7,96.2 68,96.2 69.2,96.2 102.1,96.2 103.4,96.2 50,96.5 51.3,96.5 52.6,96.5 53.8,96.5 108.5,96.8 41,96.9 37.1,97 39.2,97 102.1,97.4 103.4,97.4 66.7,97.5 68,97.5 69.2,97.5 70.5,97.5 71.8,97.5 50,97.6 51.3,97.6 52.6,97.6 53.8,97.6 40.9,98.8 50,98.8 51.3,98.8 52.6,98.8 53.8,98.8 55.1,98.8 66.7,98.8 68,98.8 69.2,98.8 70.5,98.8 71.8,98.8 102.1,98.8 103.4,98.8 26.4,98.9 29.4,98.9 32.4,98.9 35.4,98.9 38.4,98.9 44.4,98.9 56.4,98.9 77.4,98.9 92.4,98.9 110.4,98.9 134.4,98.9 137.4,98.9 140.4,98.9 143.4,98.9 146.4,98.9 149.4,98.9 152.4,98.9 155.4,98.9 158.4,98.9 161.4,98.9 164.4,98.9 167.4,98.9 170.4,98.9 173.4,98.9 176.4,98.9 97,100 99.6,100 100.8,100 102.1,100 103.4,100 50,100.1 51.3,100.1 52.6,100.1 53.8,100.1 55.1,100.1 66.7,100.1 68,100.1 69.2,100.1 70.5,100.1 71.8,100.1 105.3,100.2 113,100.3 113.9,100.3 126.4,100.3 127.2,100.3 62.5,100.6 46.1,100.7 126.75,101 113.5,101.1 66.7,101.3 68,101.3 69.2,101.3 97,101.3 98.3,101.3 99.5,101.3 100.8,101.3 102.1,101.3 103.4,101.3 50,101.4 51.3,101.4 52.6,101.4 126.4,101.7 127.2,101.7 113,101.8 114,101.8 24.9,101.9 27.9,101.9 30.9,101.9 33.9,101.9 36.9,101.9 39.9,101.9 78.9,101.9 87.9,101.9 93.9,101.9 132.9,101.9 135.9,101.9 138.9,101.9 141.9,101.9 144.9,101.9 147.9,101.9 150.9,101.9 153.9,101.9 156.9,101.9 159.9,101.9 162.9,101.9 165.9,101.9 168.9,101.9 171.9,101.9 174.9,101.9 68,102.5 69.2,102.5 97,102.5 98.3,102.5 99.5,102.5 102.1,102.5 51.3,102.6 52.6,102.6 66.7,103.8 68,103.8 69.2,103.8 51.3,103.9 52.6,103.9 97,104 98.3,104 99.5,104 100.8,104 46.2,104.6 23.4,104.9 26.4,104.9 29.4,104.9 32.4,104.9 35.4,104.9 38.4,104.9 44.4,104.9 77.4,104.9 86.4,104.9 107.4,104.9 110.4,104.9 113.4,104.9 116.4,104.9 119.4,104.9 122.4,104.9 125.4,104.9 128.4,104.9 131.4,104.9 134.4,104.9 137.4,104.9 140.4,104.9 143.4,104.9 152.4,104.9 155.4,104.9 158.4,104.9 161.4,104.9 164.4,104.9 170.4,104.9 173.4,104.9 176.4,104.9 66.7,105.1 68,105.1 69.2,105.1 70.5,105.1 99.5,105.1 100.8,105.1 102.1,105.1 51.3,105.2 52.6,105.2 53.8,105.2 55.1,105.2 69.2,106.3 70.5,106.3 71.8,106.3 102.1,106.3 52.6,106.5 53.8,106.5 55.1,106.5 27.9,107.9 30.9,107.9 33.9,107.9 36.9,107.9 39.9,107.9 69.9,107.9 72.9,107.9 75.9,107.9 78.9,107.9 87.9,107.9 105.9,107.9 108.9,107.9 111.9,107.9 114.9,107.9 117.9,107.9 120.9,107.9 123.9,107.9 126.9,107.9 129.9,107.9 132.9,107.9 135.9,107.9 138.9,107.9 165.9,107.9 168.9,107.9 171.9,107.9 174.9,107.9
  other v3: 94.7,35 95.8,35 96.9,35 94.7,36.1 95.8,36.1 96.9,36.1 94.7,37.2 95.8,37.2 96.9,37.2 142.8,59.25 143.9,59.25 141.8,59.3 94.8,60 95.9,60 97,60 141.7,60.35 142.8,60.35 143.9,60.35 94.8,61.1 95.9,61.1 97,61.1 141.7,61.45 142.8,61.45 143.9,61.45 94.8,62.2 95.9,62.2 97,62.2 130.9,70.15 132,70.15 133.1,70.15 130.9,71.25 132,71.25 133.1,71.25 130.9,72.35 132,72.35 133.1,72.35
  other v4: 90.5,40.75 97.6,51.2 136.8,52.4 83.1,60.3 90,73.1 92,73.1 94,73.1 96,73.1 98,73.1 100,73.1 102,73.1 104,73.1 106,73.1 108,73.1 110,73.1 112,73.1 114,73.1
  other v5: 59.1,-25.2 59,-6.5 61.9,-6.5 39,2.9 41,2.9 43,2.9 45,2.9 47,2.9 48.7,2.9 135.9,41.9 135.9,53.9
HF_CLK4: C17_11.2 J3_15.A/1C | length 22.6
  RF_Layer_3 w0.17: J3_15.A/1C@29.5,2.25 29.5,1.235 ccw(c30.5,1.235) 30.5,0.235 44.465,0.235 cw(c44.465,-1.7) 46.4,-1.7 46.4,-3.3 ccw(c46.9,-3.3) v2(46.9,-3.8)
  Bottom Layer w0.33: v2(46.9,-3.8) C17_11.2@47.555,-3.8
HF_CLK5: C17_10.2 J3_15.B/1C | length 32.8
  RF_Layer_3 w0.17: J3_15.B/1C@31.5,2.25 55.96,2.25 cw(c55.96,-0.29) 58.5,-0.29 58.5,-3.4 ccw(c58.9,-3.4) v2(58.9,-3.8)
  Bottom Layer w0.33: v2(58.9,-3.8) C17_10.2@59.555,-3.8
HF_CLK6: C17_9.2 J3_15.A/1B | length 14.3
  Bottom Layer w0.33: J3_15.A/1B@29.5,6.25 29.5,5.2 ccw(c30.4,5.2) 30.4,4.3 33.1,4.3 cw(c33.1,3.2) 34.2,3.2 34.2,-1.393 ccw(c36.74,-1.393) 34.944,-3.189 C17_9.2@35.555,-3.8
HF_CLK7: C17_8.2 J3_15.B/1B | length 28.8
  RF_Layer_3 w0.17: J3_15.B/1B@31.5,6.25 34.298,6.25 cw(c34.298,3.71) 36.094,5.506 37.256,4.344 ccw(c39.052,6.14) 39.052,3.6 56.848,3.6 ccw(c56.848,6.14) 58.644,4.344 58.9,4.6 v2(59.1,4.6)
HF_CLK8: C17_7.2 J3_15.A/1A | length 10.1
  Bottom Layer w0.33: J3_15.A/1A@29.5,10.25 29.5,9.2 ccw(c30.5,9.2) 30.5,8.2 32.9,8.2 cw(c32.9,6.8) 34.3,6.8 34.3,5.855 ccw(c35.555,5.855) C17_7.2@35.555,4.6
HF_CLK9: C17_6.2 J3_15.B/1A | length 20.2
  Bottom Layer w0.33: J3_15.B/1A@31.5,10.25 44.05,10.25 cw(c44.05,7.9) 46.4,7.9 46.4,5.755 ccw(c47.555,5.755) C17_6.2@47.555,4.6
HF_CLK10: C17_5.2 J2_15.B/1C | length 31.2
  RF_Layer_4 w0.17: J2_15.B/1C@31.5,14.25 35.198,14.25 ccw(c35.198,16.79) 36.994,14.994 38.256,16.256 cw(c40.052,14.46) 40.052,17 47.048,17 cw(c47.048,14.46) 48.844,16.256 52.356,12.744 ccw(c54.152,14.54) 54.152,12 v1(58.5,12)
  Bottom Layer w0.33: v1(58.5,12) ccw(c58.5,12.133) 58.594,12.039 C17_5.2@59.555,13
HF_CLK11: C17_4.2 J2_15.A/1C | length 20.9
  RF_Layer_4 w0.17: J2_15.A/1C@29.5,14.25 29.5,12.835 ccw(c30.1,12.835) 30.1,12.235 34.208,12.235 cw(c34.208,10.408) 35.5,11.7 ccw(c37.19,13.39) 37.19,11 44.503,11 ccw(c44.503,13.54) 46.299,11.744 v1(46.555,12)
  Bottom Layer w0.33: v1(46.555,12) C17_4.2@47.555,13
HF_CLK12: C17_3.2 J2_15.A/1B | length 10.1
  Bottom Layer w0.33: J2_15.A/1B@29.5,18.25 29.5,17.215 ccw(c30.5,17.215) 30.5,16.215 32.885,16.215 cw(c32.885,14.9) 34.2,14.9 34.2,13.6 ccw(c34.8,13.6) 34.8,13 C17_3.2@35.555,13
HF_CLK_IN: C17_2.2 J4.1 | length 1.5
  Bottom Layer w0.3: C17_2.2@167.545,25 J4.1@169.05,25
HF_CLK_OUT: C17_1.2 J5.1 | length 1.5
  Bottom Layer w0.3: C17_1.2@167.55,10 J5.1@169.05,10
HF_CLK_OUT_N: C11_1.1 J12.1 | length 21.3
  Bottom Layer w0.3: C11_1.1@90.35,36 89.849,36 89.7,35.851 89.7,33.751 89.524,33.576 88.949,33 87.2,33 86.3,32.1 86.3,26.399 88.15,24.549 88.15,22.85 88.5,22.5 90.2,22.5 90.84,21.86 J12.1@90.84,20.61
HF_CLK_OUT_P: C25_1.1 J10.1 | length 22.5
  Bottom Layer w0.3: J10.1@84.84,20.61 84.84,21.84 85.5,22.5 87.2,22.5 87.55,22.85 87.55,24.3 85.7,26.15 85.7,32.349 86.951,33.6 88.7,33.6 89.1,34 89.1,36.1 90.2,37.2 C25_1.1@90.35,37.2
IN_SEL: R11.2 R40.2 SW1.8 U1.1 U2.1 | length 53.2
  Top Layer w0.381: v1(124.1,68.8) 125.4,67.5 126.2,67.5 127.16,68.46 R40.2@129,68.46 ; v1(138.45,56.55) R11.2@138.45,57.43
  RF_Layer_4 w0.381: v1(124.1,68.8) 126.25,66.65 126.25,65.5 127,64.75 132.75,64.75 134,63.5 134,59.5 135.25,58.25 137.75,58.25 138.45,57.55 v1(138.45,56.55)
  Bottom Layer w0.2: v1(124.1,68.8) 125.4,67.5 126.75,67.5 128.25,69 U2.1@128.95,69 ; v1(138.45,56.55) 138.45,57.65 138.9,58.1 U1.1@139.75,58.1
  Bottom Layer w0.381: v1(138.45,56.55) 137.65,56.55 137,55.9 137,54.8 137.6,54.2 137.6,49 136.2,47.6 136.2,46.1 136.79,45.51 SW1.8@138.5,45.51
IN_SEL_1: R20_1.2 SW1.6 U3_1.1 | length 66.4
  RF_Layer_3 w0.16: v1(91.97,32.67) 97.83,32.67 98.42,32.08 100.182,32.08 100.772,32.67 142.07,32.67 143.6,34.2 143.6,39.2 142.37,40.43 v1(141.47,40.43)
  Bottom Layer w0.16: v1(91.97,32.67) R20_1.2@91.2,32.67 91.8,33.27 91.8,33.6 92.05,33.85 U3_1.1@92.75,33.85
  Bottom Layer w0.5: SW1.6@138.5,40.43 v1(141.47,40.43)
IN_SEL_2: R20_2.2 SW1.7 U3_2.1 | length 67.2
  RF_Layer_3 w0.2: v1(103.8,50.3) 135.7,50.3 141.47,44.53 v1(141.47,42.97)
  Bottom Layer w0.2: U3_2.1@92.85,58.85 91.85,58.85 91.3,58.3 R20_2.2@91.3,57.67 90.67,57.67 89.4,56.4 89.4,55.8 90.4,54.8 92.6,54.8 93.95,53.45 93.95,52.526 96.176,50.3 v1(103.8,50.3)
  Bottom Layer w0.5: SW1.7@138.5,42.97 v1(141.47,42.97)
LO4: C17_22.2 J2_15.B/1B | length 30.1
  Bottom Layer w0.33: J2_15.B/1B@31.5,18.25 57.015,18.25 ccw(c57.015,20.79) 59.555,20.79 C17_22.2@59.555,21.4
LO5: C17_21.2 J2_15.A/1A | length 8
  Bottom Layer w0.33: J2_15.A/1A@29.5,22.25 29.5,21.185 ccw(c30.4,21.185) 30.4,20.285 33.388,20.285 ccw(c33.388,22.825) 35.184,21.029 C17_21.2@35.555,21.4
LO6: C17_20.2 J2_15.B/1A | length 17.7
  RF_Layer_3 w0.17: J2_15.B/1A@31.5,22.25 33.798,22.25 cw(c33.798,19.71) 35.594,21.506 36.956,20.144 ccw(c38.752,21.94) 38.752,19.4 43.748,19.4 ccw(c43.748,21.94) 45.544,20.144 v2(46.8,21.4)
  Bottom Layer w0.33: v2(46.8,21.4) C17_20.2@47.555,21.4
LO7: C17_19.2 J1_15.B/1C | length 29.2
  Bottom Layer w0.33: J1_15.B/1C@31.5,26.25 47.198,26.25 ccw(c47.198,28.79) 48.994,26.994 cw(c49.974,26.014) 49.974,27.4 56.103,27.4 ccw(c56.103,29.94) 57.899,28.144 C17_19.2@59.555,29.8